# KiCad board WeatherStation.kicad_pcb (continued)
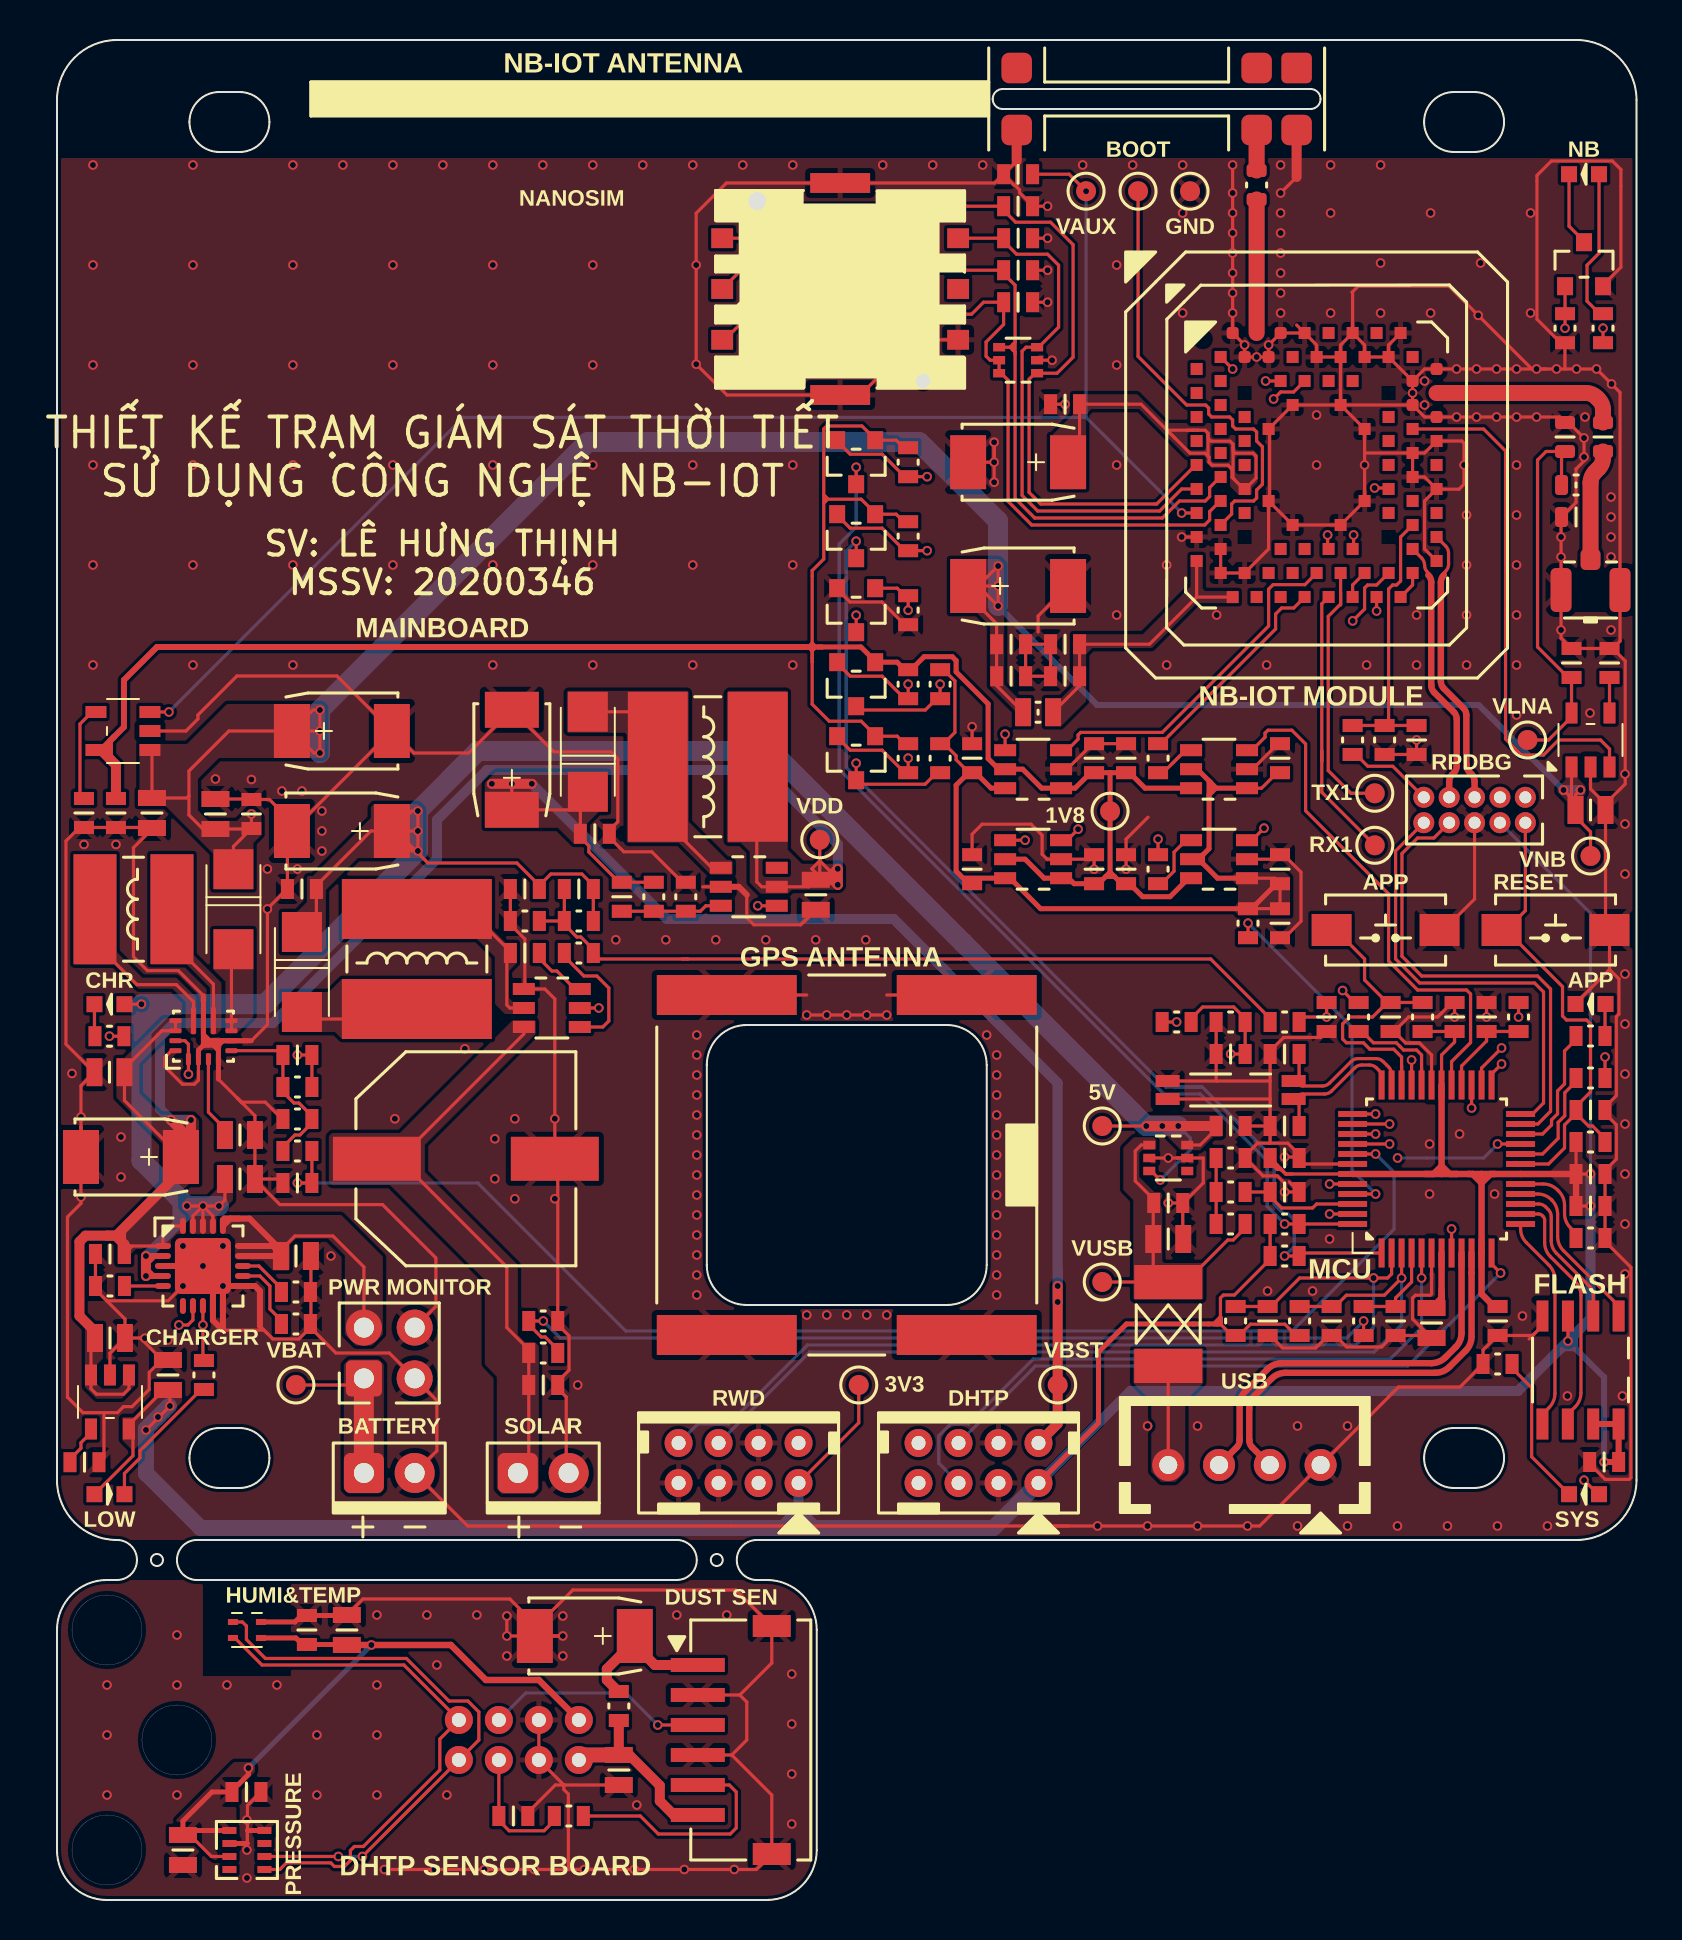
[diagram p0: board, top side]
## Routing (per net, layer and track width the routed paths; a pad name or vN(x,y) marks a point on that pad's centre or on a via; arc(x,y) is an arc through that point) (continued)
VBAT: length 8.2
  Top w0.16: J3.1 15.02,25.75 12.05,25.75
  Top w1: BAT1.1 J3.1
VDD: length 112.4
  Top w0.16: U5.1 3.6,25.57 3.32,25.29 1.97,25.29 1.7,25.57 U5.3 1.7,27.9 C22.1 ; C64.1 37.6,50.66 U13.5 35.25,50.66 35,50.91 35,56.51 35.05,56.56 ; C64.1 38.15,51.21 38.15,52.01 ; C64.1 37.95,51.36 37.75,51.56 38.15,51.96 ; U4.20 5.65,33.7 5.3,33.35 U4.1 3.77,32.7 C25.1 3.37,33.83 6.2,36.65 C26.+ 3.37,39.98 C2.1 3.37,41.59 5.25,43.47 5.92,43.47 5.92,43.97 ; 38.78,51.29 38.78,51.34 38.15,51.96 ; 38.15,51.96 38.15,52.01 ; 38.15,52.01 TP7.1
  Top w0.5: 2.5,33.22 2.93,33.22 3.37,32.78 C25.1 ; 2.5,33.22 2.96,33.22 6.2,36.45 C26.+ ; 2.5,33.22 1.42,33.22 1.12,32.92 1.12,29.2 1.9,28.43 C22.1 ; C26.+ 6.7,37.65 v1(6.7,39) ; C26.+ 6.2,38.5 v1(5.7,39) ; v1(39.05,50.76) 38.8,51.01 C64.1 38.5,51.01 v1(39.05,51.56) v1(39.05,50.76)
  In1.Cu w0.5: v1(6.7,39) v1(5.7,39) ; v1(39.05,50.76) v1(39.05,51.56)
  In2.Cu w0.5: v1(39.05,50.76) v1(39.05,51.56) ; v1(6.7,39) v1(5.7,39)
  Bottom w0.5: v1(6.7,39) v1(5.7,39) 5.15,39.55 5.15,43.15 5.85,43.85 10.8,43.85 19,52.05 19,54 21.5,56.5 35.35,56.5 39.05,52.8 v1(39.05,51.56) v1(39.05,50.76)
VDD1: length 9.5
  Top w0.5: R33.1 C63.1 28.62,7.25 30.15,5.73 30.15,4.95 30.85,4.25 U11.6
  Top w0.75: C63.1 26.35,7.25 J6.2
/MCU/DBG_RXD: length 18.7
  Top w0.16: v1(72.25,41.8) 71.75,41.3 U7.25
  In2.Cu w0.16: v1(72.25,41.8) 72.77,42.33 72.77,42.63 74.57,44.42 74.57,55.24 73.87,55.94 72.97,55.94 J4.3
/MCU/DBG_TXD: length 16
  Top w0.16: U7.26 71.25,41.6 v1(72.25,42.6)
  In2.Cu w0.16: J4.1 74.25,54.33 74.25,44.6 v1(72.25,42.6)
/MCU/DUST_EN: length 39.3
  Top w0.16: U7.40 v1(66.65,37.8) ; U13.4 v1(35.05,49.71)
  In2.Cu w0.16: v1(66.65,37.8) 59.9,37.8 47.99,49.71 v1(35.05,49.71)
/MCU/DUST_SEN: length 32.7
  Top w0.16: U7.12 71.75,31.8 v1(72.2,31.35)
  Bottom w0.16: 69.42,28.58 67.55,26.7 48.94,26.7 J7.6 ; 69.42,28.58 68.8,27.95 ; 69.42,28.58 v1(72.2,31.35)
/MCU/LED_APP: length 6.7
  Top w0.16: U7.22 74.3,38.3 74.75,38.75 74.75,39.01 75.05,39.31 75.05,40.45 75.4,40.8 75.4,42.45 75.97,43.03 R26.1
/MCU/LED_SYS: length 17.5
  Top w0.16: U7.8 v1(69.75,33.55) ; D9.A 77.07,20.29 v1(76.37,20.99)
  In2.Cu w0.16: v1(76.37,20.99) 76.37,22.33 69.75,28.95 v1(69.75,33.55)
/MCU/NB_ARXD: length 26
  Top w0.16: U16.3 59.77,57.49 60.42,58.14 60.42,58.34 60.57,58.49 61.76,58.49 62.45,57.8 62.45,54.46 66.6,50.31 66.6,46.95 68.05,45.5 70.5,45.5 70.7,45.3 70.7,42.87 69.75,41.92 U7.29
/MCU/NB_ATXD: length 6
  Top w0.16: R40.2 65.27,43.43 65.84,42.86 66.99,42.86 67.35,42.5 68,42.5 68.25,42.25 U7.32 68.25,41.6
/MCU/NB_DTR: length 40.2
  Top w0.16: R46.1 43.99,56.37 43.42,55.79 40.17,55.79 Q4.3 v1(39.97,56.84) ; U7.39 v1(65.95,38.3)
  In2.Cu w0.16: v1(65.95,38.3) 59.9,38.3 43.85,54.35 42.46,54.35 v1(39.97,56.84)
/MCU/NB_ONOFF: length 42.1
  Top w0.16: U7.37 v1(65.95,39.3) ; v1(42.57,64.49) R42.2 42.39,65.22 42.02,65.59 Q2.1
  In2.Cu w0.16: v1(42.57,64.49) 45.27,61.79 45.27,53.93 59.9,39.3 v1(65.95,39.3)
/MCU/NB_RING: length 43.1
  Top w0.16: v1(44.17,60.79) R45.1 43.99,60.07 43.43,59.5 40.16,59.5 Q3.3 ; U7.38 v1(66.65,38.8)
  In2.Cu w0.16: v1(66.65,38.8) 59.9,38.8 46.35,52.35 ; 46.35,52.35 45.81,52.89 ; 46.35,52.35 44.17,54.53 v1(44.17,60.79)
/MCU/NB_RXD: length 33.4
  Top w0.16: U7.44 v1(63.65,35.8) ; v1(60.37,53.59) 59.77,52.99 U8.3
  In2.Cu w0.16: 70.67,41.13 68.98,42.82 68.98,47.27 62.66,53.59 v1(60.37,53.59) ; 70.67,41.13 71.45,40.35 ; 70.67,41.13 71.75,40.05 71.75,39.05 68.5,35.8 v1(63.65,35.8)
/MCU/NB_TXD: length 5.6
  Top w0.16: R28.2 75.97,40.93 75.41,40.36 75.41,39.21 75.08,38.88 75.08,38.08 74.3,37.3 U7.20
/MCU/NB_USB_N: length 13.2
  Top w0.16: 68.59,66.35 68.55,66.39 arc(68.44,66.55) 68.4,66.74 arc(68.36,66.94) 68.25,67.1 MD1.V18
  Top w0.32: J4.7 69.63,55.91 arc(69.67,56.11) 69.78,56.27 69.86,56.35 arc(69.97,56.52) 70.01,56.71 70.01,59.04 arc(69.97,59.24) 69.86,59.4 68.88,60.38 arc(68.77,60.54) 68.73,60.73 68.73,65.89 arc(68.7,66.09) 68.59,66.25
/MCU/NB_USB_P: length 13.9
  Top w0.16: 69.36,66.35 69.45,66.44 arc(69.56,66.6) 69.6,66.79 69.6,67.34 arc(69.56,67.54) 69.45,67.7 MD1.U19
  Top w0.32: J4.5 70.9,55.93 arc(70.86,56.13) 70.75,56.29 70.64,56.4 arc(70.53,56.57) 70.49,56.76 70.49,59.24 arc(70.45,59.43) 70.34,59.6 69.36,60.58 arc(69.25,60.74) 69.21,60.93 69.21,65.89 arc(69.25,66.09) 69.36,66.25
/MCU/NB_VAUX_SEN: length 4.8
  Top w0.16: R49.1 C84.1 71.5,42.95 70.25,41.7 U7.28
/MCU/NB_VBUS: length 4.4
  Top w0.16: R29.1 64.97,57.28 65.56,56.69 66.81,56.69 J4.9
/MCU/PGC: length 22.4
  Top w0.16: U7.24 73.8,39.3 74.35,39.85 74.35,45.4 73.9,45.85 68.15,45.85 66.95,47.05 66.95,52.46 J4.10
/MCU/PGD: length 24.1
  Top w0.16: U7.23 74.06,38.8 74.7,39.44 74.7,45.55 74.05,46.2 68.25,46.2 67.27,47.19 67.27,52.32 68.05,53.1 68.86,53.1 J4.8
/MCU/SCL: length 90
  Top w0.16: U7.48 R23.1 v1(61.4,33.8) ; Q5.3 v1(39.97,71.64)
  In2.Cu w0.16: 50.34,20.4 49.86,19.92 ; 50.34,20.4 49.56,19.62 44.32,19.62 J7.7 44.09,21.85 44.09,23.35 43.62,23.82 42.57,23.82 41.6,22.85 J8.8 ; 50.34,20.4 51.39,21.45 51.39,23.79 v1(61.4,33.8)
  Bottom w0.16: v1(61.4,33.8) 60.53,34.67 60.53,36.95 57.18,40.3 55.36,40.3 39.12,56.54 39.12,67.79 39.97,68.64 v1(39.97,71.64)
/MCU/SCLK: length 12.5
  Top w0.16: U7.14 74.1,34.3 arc(74.2,34.28) 74.28,34.23 74.33,34.17 arc(74.39,34.09) 74.4,34 74.4,32.87 arc(74.48,32.49) 74.7,32.16 75.93,30.93 arc(76.15,30.61) 76.22,30.23 76.22,25.36 arc(76.15,24.98) 75.93,24.65 75.56,24.29 U6.6
/MCU/SDA: length 92.3
  Top w0.16: U7.1 62.27,32.35 R24.1 v1(61.4,32.2) ; Q6.3 v1(39.97,67.94)
  In2.Cu w0.16: v1(61.4,32.2) 53.79,24.6 ; 53.79,24.6 51.74,22.54 51.74,21.35 49.69,19.3 43.23,19.3 42.39,20.14 ; 53.79,24.6 53.5,24.3 ; 42.39,20.14 42.32,20.22 ; 42.39,20.14 42.12,20.42 ; 42.02,20.32 42.22,20.32 42.32,20.22 ; 42.02,20.32 41.92,20.22 ; 42.02,20.32 42.12,20.42 ; 42.32,20.22 41.92,20.22 ; 41.92,20.22 41,19.3 36.64,19.3 36.04,19.9 ; J7.8 42.12,21.88 42.12,21.87 42.12,20.42 ; 36.04,19.9 36.14,19.8 ; 36.04,19.9 J8.5
  Bottom w0.16: 58.98,38.95 60.88,37.05 60.88,34.79 61.36,34.3 61.58,34.3 61.88,34 61.88,32.68 v1(61.4,32.2) ; 58.98,38.95 59.33,38.6 ; 58.98,38.95 57.28,40.65 57.18,40.65 ; 57.18,40.65 55.88,40.65 ; 57.18,40.65 55.46,40.65 39.47,56.64 39.47,67.44 v1(39.97,67.94)
/MCU/SDI: length 7.7
  Top w0.16: U6.2 76.83,30.29 arc(76.8,30.48) 76.69,30.65 74.99,32.34 arc(74.8,32.63) 74.73,32.96 74.73,34.17 arc(74.7,34.36) 74.59,34.52 74.46,34.65 arc(74.29,34.76) 74.1,34.8 U7.15
/MCU/SDO: length 10.8
  Top w0.16: U6.5 74.29,23.88 arc(74.37,24.26) 74.59,24.58 74.63,24.62 arc(74.85,24.95) 74.92,25.33 74.92,31.03 arc(74.85,31.41) 74.63,31.73 73.49,32.87 arc(73.28,33.19) 73.2,33.58 U7.13
/MCU/SOSCI: length 7.9
  Top w0.16: C28.1 62.12,41.23 X1.1 61.95,40.85 arc(62.12,40.74) 62.31,40.7 63.29,40.7 arc(63.48,40.74) 63.65,40.85 64.72,41.92 arc(64.89,42.03) 65.08,42.07 65.97,42.07 arc(66.16,42.03) 66.33,41.92 66.6,41.65 arc(66.71,41.49) 66.75,41.29 U7.35
/MCU/SOSCO: length 7.2
  Top w0.16: U7.36 66.25,41.14 arc(66.21,41.34) 66.1,41.5 66,41.6 arc(65.83,41.71) 65.64,41.75 65.26,41.75 arc(65.07,41.71) 64.9,41.6 63.75,40.45 arc(63.58,40.34) 63.39,40.3 62.31,40.3 arc(62.12,40.26) 61.95,40.15 X1.4 62.12,39.78 C29.1
/MCU/USB_N: length 20.3
  Top w0.32: U7.9 70.25,28.35 arc(70.17,27.97) 69.96,27.65 69.44,27.13 arc(69.12,26.92) 68.74,26.84 61.25,26.84 arc(60.87,26.76) 60.55,26.55 59.44,25.44 arc(59.23,25.12) 59.15,24.74 59.15,22.99 arc(59.11,22.8) 59,22.63 J1.3
/MCU/USB_P: length 20.3
  Top w0.32: J1.2 59.78,22.63 arc(59.67,22.8) 59.63,22.99 59.63,24.54 arc(59.71,24.92) 59.92,25.24 60.75,26.07 arc(61.07,26.28) 61.45,26.36 68.94,26.36 arc(69.32,26.44) 69.64,26.65 70.46,27.47 arc(70.67,27.79) 70.75,28.18 U7.10
/MCU/VIO_EN: length 18.1
  Top w0.16: R27.1 v1(59.57,48.84) ; v1(65.95,35.3) U7.45
  Bottom w0.16: v1(65.95,35.3) 64.77,36.48 64.77,43.64 v1(59.57,48.84)
/MCU/VNB_EN: length 75
  Top w0.16: U2.14 6.4,42.97 6.57,42.79 U2.1 v1(6.57,41.29) ; U7.21 v1(72.05,37.8)
  In2.Cu w0.16: v1(67.05,37.1) 66.6,36.65 60.55,36.65 51.4,45.8 26.75,45.8 22.24,41.29 v1(6.57,41.29)
  Bottom w0.16: v1(72.05,37.8) 71.35,37.1 v1(67.05,37.1)
/MCU/VNB_SEN: length 67.6
  Top w0.16: v1(12.02,35.85) C13.1 R10.1 ; U7.41 v1(65.95,37.3)
  Bottom w0.16: v1(65.95,37.3) 66.87,36.38 66.87,33.55 61.77,28.45 28.45,28.45 21.05,35.85 v1(12.02,35.85)
/MCU/VSOLAR_SEN: length 4.6
  Top w0.16: U7.4 67.75,30.9 66.95,30.1 C4.1 R1.1
/MCU/~{BT_APP}: length 15.9
  Top w0.16: 66.52,44.88 65.4,46 65.4,47.05 63.95,48.5 BT2.1 ; 66.52,44.88 C35.1 ; 66.52,44.88 C35.1 ; 66.52,44.88 65.8,44.15 64.65,44.15 64.3,43.8 64.3,43.05 64.49,42.86 65.34,42.86 65.66,42.54 66.85,42.54 67.25,42.15 U7.34 67.25,41.7 ; C35.1 R25.2
/MCU/~{DUST_IREN}: length 32.9
  Top w0.16: U7.5 v1(68.25,31.1)
  Bottom w0.16: J7.5 44.1,21.84 44.1,23.21 44.69,23.8 45.59,23.8 48.84,27.05 66.68,27.05 68.25,28.62 v1(68.25,31.1)
/MCU/~{FLASH_CS}: length 8.7
  Top w0.16: U6.1 78.1,29.29 arc(78.03,29.67) 77.81,30 75.35,32.46 arc(75.13,32.79) 75.05,33.17 75.05,34.29 arc(74.98,34.67) 74.76,35 74.75,35.01 arc(74.43,35.22) 74.05,35.3 U7.16
/MCU/~{MCLR}: length 24.7
  Top w0.16: 75.97,39.33 75.4,38.75 75.4,37.6 74.6,36.8 U7.19 ; 75.97,39.33 76.6,38.7 76.8,38.7 77.42,38.08 R22.2 ; 75.97,39.33 C32.1 75.97,39.68 76.7,40.4 76.7,43.8 76.5,44 75.5,44 75.3,44.2 75.3,45.67 72.47,48.5 BT1.1 72.48,48.5 73.44,49.47 J4.2
/MCU/~{RNF_PULSE}: length 49.1
  Top w0.16: U7.2 66.75,31.3 66.55,31.1 v1(65.85,31.1) 62.15,31.1 60.72,29.68 C73.1 R38.2
  Bottom w0.16: J8.2 32.04,23.8 33.59,23.8 37.54,27.75 64.96,27.75 65.85,28.64 v1(65.85,31.1)
/MCU/~{VBAT_LOW}: length 66.9
  Top w0.16: U4.8 v1(7.3,28.75) 7.3,27.03 R14.2 ; U7.47 v1(63.65,34.3)
  In2.Cu w0.16: 58.02,31.77 50.75,24.5 11.55,24.5 v1(7.3,28.75) ; 58.02,31.77 61.02,34.77 61.37,34.77 ; 58.02,31.77 58.15,31.9 ; 61.37,34.77 61.07,34.77 ; 61.37,34.77 63.18,34.77 v1(63.65,34.3)
/MCU/~{WSP_PULSE}: length 45.9
  Top w0.16: U7.3 v1(67.25,31.1) 66.39,30.24 64.49,30.24 63.92,29.68 C71.1 R37.2
  Bottom w0.16: v1(67.25,31.1) 67.25,28.77 65.88,27.4 37.64,27.4 J8.4
/NB MODULE/ARXD: length 10.8
  Top w0.16: MD1.AA9 62.4,65.15 61.85,64.6 61.25,64.6 60.95,64.3 60.95,63.55 55.21,57.82 R39.1
/NB MODULE/ATXD: length 17.7
  Top w0.16: MD1.Y10 62.41,65.77 60.82,65.77 60.6,65.55 60.6,63.7 55.28,58.38 51.2,58.38 51.07,58.25 51.07,58.04 50.52,57.49 U15.3
/NB MODULE/DTR: length 40.4
  Top w0.16: v1(63.55,68.25) 63.55,67.6 MD1.V11 ; Q4.2 39.02,58.14 39.67,57.49 41.27,57.49 42.39,56.37 R44.1 v1(42.57,57.09)
  In2.Cu w0.16: v1(63.55,68.25) 63.55,69.1 62.69,69.96 56.02,69.96 54.13,68.07 45.48,68.07 44.64,67.23 44.64,66.96 44.02,66.35 42.98,66.35 41.04,64.41 41.04,62.77 42.54,61.27 42.77,61.27 43.05,60.99 43.05,60.59 42.57,60.11 v1(42.57,57.09)
/NB MODULE/GPS_LNA_ENA: length 26.5
  Top w0.16: 77.65,56.6 77.65,57.55 77.2,58 75.1,58 74.35,57.25 73.25,57.25 72.45,58.05 72.45,72.45 71.35,73.55 MD1.H18
/NB MODULE/PWRMON: length 127.5
  Top w0.16: v1(5.6,59.4) U17.3 ; v1(51.47,85.44) 50.62,86.29 C51.1 ; MD1.R1 v1(56.25,69.35) ; R49.2 v1(73.1,44.15)
  In2.Cu w0.16: v1(56.25,69.35) 49.3,62.4 49.3,52.56 51.04,50.82 55.32,50.82 58.96,54.47 62.78,54.47 v1(73.1,44.15)
  Bottom w0.16: 51.23,74.13 51.25,74.13 51.47,74.35 ; 51.23,74.13 20.33,74.13 v1(5.6,59.4) ; 51.23,74.13 51.47,74.13 ; 51.47,74.35 51.47,74.13 ; 51.47,74.35 v1(51.47,85.44) ; 51.47,74.13 53.49,72.11 ; 53.49,72.11 52.27,73.33 ; 53.49,72.11 v1(56.25,69.35)
/NB MODULE/RING: length 37.8
  Top w0.16: v1(42.57,60.79) R43.1 42.39,60.07 41.27,61.19 39.67,61.19 39.02,61.84 Q3.2 ; MD1.V13 64.85,67.6 v1(64.85,68.25)
  In2.Cu w0.16: v1(64.85,68.25) 62.82,70.28 55.88,70.28 53.99,68.39 45.35,68.39 44.32,67.36 44.32,67.12 43.87,66.67 42.85,66.67 40.72,64.54 40.72,62.64 v1(42.57,60.79)
/NB MODULE/RXD0: length 21.4
  Top w0.16: MD1.AA15 v1(66,64.45) ; v1(51.07,53.54) 50.52,52.99 U9.3
  In2.Cu w0.16: v1(66,64.45) 64.58,64.45 64.27,64.14 64.27,63.87 54.64,54.24 51.77,54.24 v1(51.07,53.54)
/NB MODULE/SCL_1V8: length 26.8
  Top w0.16: MD1.D7 v1(60.45,75.95) ; Q5.2 39.02,72.94 39.67,72.29 41.27,72.29 42.39,71.17 R48.1 v1(43.52,71.17)
  In2.Cu w0.16: v1(43.52,71.17) 45.22,69.47 53.71,69.47 58.35,74.1 59.4,74.1 60.1,74.8 60.1,75.6 v1(60.45,75.95)
/NB MODULE/SDA_1V8: length 27.7
  Top w0.16: v1(43.52,67.47) R47.1 42.39,67.47 41.27,68.59 39.67,68.59 39.02,69.24 Q6.2 ; v1(60.85,75.05) 61.2,75.4 61.85,75.4 MD1.D9
  In2.Cu w0.16: v1(43.52,67.47) 45.17,69.12 53.81,69.12 58.45,73.75 59.55,73.75 v1(60.85,75.05)
/NB MODULE/SIM_CLK: length 42.5
  Top w0.16: MD1.L1 56.95,71.75 55,69.8 49.2,69.8 48.62,70.38 48.62,76.04 48.92,76.34 D6.1 50.02,76.34 50.82,77.14 50.82,82.77 49.69,83.89 47.94,83.89 47.34,84.49 C40.1 36.47,84.69 34.87,83.09 J5.C3
/NB MODULE/SIM_DAT: length 27.8
  Top w0.16: MD1.N1 56.25,70.55 55.15,69.45 49.05,69.45 48.27,70.23 48.27,77.44 48.47,77.64 D6.3 49.09,77.64 50.09,78.64 50.09,81.74 49.54,82.29 47.99,82.29 47.34,82.94 C38.1 J5.C7
/NB MODULE/SIM_RST: length 39.7
  Top w0.16: 47.92,77.3 47.92,77.39 47.82,77.49 ; 47.92,77.3 47.92,78.04 ; 47.92,77.3 47.92,70.08 48.9,69.1 55.29,69.1 56.14,69.95 57.43,69.95 57.65,70.17 57.65,70.62 58.18,71.15 MD1.M2 ; 47.92,78.04 47.92,80.74 47.34,81.32 C43.1 34.21,81.49 J5.C2 ; 47.92,78.04 47.92,77.89 47.82,77.79 ; 47.82,77.79 47.82,77.49 ; 47.82,77.79 47.67,77.64 ; 47.82,77.49 47.67,77.64 ; 47.67,77.64 D6.4
/NB MODULE/SIM_VCC: length 37.7
  Top w0.16: D6.5 46.67,76.99 46.47,77.19 46.47,77.9 47.34,78.78 C44.2 46.34,79.89 45.74,79.29 34.67,79.29 33.39,78.01 J5.C1 ; MD1.P2 58.18,69.95 57.65,69.42 57.65,69 57.4,68.75 48.75,68.75 47.57,69.93 47.57,75.99 47.12,76.44 47.12,76.94
/NB MODULE/TXD0: length 19.1
  Top w0.16: v1(64.8,63.96) 65.4,64.55 65.4,65.6 65.55,65.75 66,65.75 MD1.Y16 ; v1(55.07,53.04) R31.1
  In2.Cu w0.16: v1(64.8,63.96) 55.07,54.22 v1(55.07,53.04)
/SENSORS/SCL1: length 27.2
  Top w0.16: U12.2 8.9,13.1 10.25,11.75 17.35,11.75 J6.7 19.15,8.05 19.15,6.5 15.32,2.68 14.88,2.68 14.68,2.48 14.68,1.98 14.38,1.68 13.88,1.68 13.69,1.86 11.47,1.86 11.14,1.53 U14.4
/SENSORS/SDA1: length 32.5
  Top w0.16: 18.62,5.53 16.2,3.1 ; 18.62,5.53 J6.8 21.1,8 21.1,9.4 20.55,9.95 19.6,9.95 17.48,12.08 10.42,12.08 9.47,13.03 9.47,13.7 9.28,13.9 U12.1 ; 18.62,5.53 v1(15.28,2.18) ; U14.3 v1(14.07,2.18)
  Bottom w0.16: v1(14.07,2.18) v1(15.28,2.18)
/SENSORS/VOUT: length 6.5
  Top w0.16: J6.6 C69.1 22.1,3.98 22.62,3.46 24.36,3.46 24.88,3.98 R36.1
/SENSORS/~{LED_EN}: length 11.2
  Top w0.16: U11.3 v1(30.05,8.75)
  Bottom w0.16: J6.5 23.45,10.35 28.45,10.35 v1(30.05,8.75)
VIO: length 55.1
  Top w0.16: C79.1 61.02,56.37 60.24,55.59 U16.1 57.94,55.59 57.79,55.74 57.77,55.72 57.77,55.42 ; 45.12,51.29 45.59,50.82 C42.1 46.04,51.09 U9.6 ; U16.5 57.03,56.54 ; U8.1 60.89,51.09 C41.1 C39.2 R27.2 ; R45.2 44.34,61.52 44.91,60.95 44.91,58.38 44.34,57.82 R46.2 44.37,57.82 44.97,57.22 44.97,57.02 45.62,56.37 C78.1
  Top w0.25: 57.62,55.02 57.62,55.27 57.94,55.59 ; 57.62,55.02 57.62,52.57 57.32,52.27 ; 57.62,55.02 57.62,55.95 57.7,55.87 ; 57.09,52.04 U8.5 57.09,52.04 ; 57.09,52.04 57.29,51.84 ; 57.09,52.04 57.32,52.27 ; 57.32,52.27 57.29,52.24 57.29,51.84 ; 57.29,51.84 58.04,51.09 U8.1 ; U15.6 46.72,55.59 45.94,56.37 C78.1 45.59,56.37 44.97,55.74 44.97,51.44 45.32,51.09 U9.6 47.67,51.09 49.19,49.57 59.74,49.57 60.99,50.82 C41.1 ; 57.7,55.87 57.98,55.59 U16.1 ; 57.7,55.87 57.03,56.54
VLNA: length 19.4
  Top w0.16: TP9.1 74.6,58 75.75,59.15 C60.2 75.57,61.13 74.05,62.65 74.05,72 74.47,72.43 C59.1 75.25,72.25 75.25,71
VNB: length 182.7
  Top w0.16: C16.1 8.82,52.68 D1.K ; C16.1 v1(9.72,54.3) ; C16.1 9.7,53.55 C18.1 7.3,53.55 6.6,54.25 6.6,55.2 ; C62.2 75.95,54.16 76.7,53.41 TP2.1 ; C62.2 75.75,54.7 75.75,56.6 ; C62.2 75.95,55.25 v1(76.2,55.5) ; C62.2 75.95,54.9 v1(75.35,55.5) ; C19.+ 12.8,59.5 v1(13.15,59.5) v1(13.15,57.35) 12.85,57.35 C19.+ ; C19.+ 8.6,58.45 6.6,56.45 6.6,55.2 ; C19.+ v1(13.15,58.45) ; R8.1 C10.1 v1(12.02,42.25) ; 46.07,65.7 C57.+ ; 46.07,65.7 v1(47.07,66.7) v1(47.07,64.7) 46.07,65.7 ; C57.+ 45.57,65.24 46.99,63.82 C55.2 C54.1 46.99,60.72 FT1.2 ; C57.+ v1(47.07,65.7) ; 6.6,55.2 6.5,55.1 C80.2 4.75,57.4 U17.1 ; v1(77.32,78.59) R32.1
  In1.Cu w0.5: v1(47.07,66.7) v1(47.07,64.7) ; v1(13.15,59.5) v1(13.15,57.35) ; v1(75.35,55.5) v1(76.2,55.5)
  In2.Cu w0.16: v1(12.02,42.25) 9.72,44.55 v1(9.72,54.3) ; v1(76.2,55.5) 78.25,57.55 78.25,77.67 v1(77.32,78.59)
  In2.Cu w0.5: v1(13.15,59.5) v1(13.15,57.35) ; v1(76.2,55.5) v1(75.35,55.5) ; v1(47.07,66.7) v1(47.07,64.7)
  Bottom w0.16: 42.9,72.9 42.48,72.9
  Bottom w0.3: v1(75.35,55.5) 71.1,59.75 52.02,59.75 v1(47.07,64.7)
  Bottom w0.5: v1(76.2,55.5) v1(75.35,55.5)
  Bottom w1: v1(47.07,64.7) v1(47.07,66.7) 47.07,68.95 44.22,71.8 ; v1(13.15,58.45) v1(13.15,57.35) v1(13.15,59.5) 26.55,72.9 41.72,72.9 ; 41.72,72.9 43.12,72.9 44.22,71.8 ; 41.72,72.9 43,72.9 ; 44.22,71.8 43.26,72.76
VSEN1: length 37
  Top w0.16: C74.1 8.75,5.78 ; U14.6 7.72,2.18 6.65,3.25 C75.1 6.53,3.48 ; 14.47,12.78 C67.1 ; U12.3 10.3,13.1
  Top w0.25: 10.3,13.1 11.95,13.1 12.27,12.78 C66.1 14.47,12.78 ; U14.8 6.53,3.48 ; v1(9.58,6.6) 9.58,6.28 9.07,5.78 8.75,5.78 ; C75.1 6.3,3.95 7.75,5.4 C74.1
  Top w0.32: J6.1 24.1,11 21.45,11 19.7,12.75 v1(15.73,12.75) C67.1
  Bottom w0.25: v1(9.58,6.6) v1(15.73,12.75)
Net-(U7-AVSS/VSS): length 4.6
  Top w0.16: R21.2 75.97,33.33 75.69,33.61 arc(75.48,33.94) 75.4,34.32 75.4,34.74 arc(75.32,35.12) 75.11,35.44 75.04,35.51 arc(74.72,35.72) 74.34,35.8 U7.17
Net-(ANT1-SIG): length 2
  Top w0.8: Z1.2 ANT1.2
Net-(ANT2-SIG): length 5.6
  Top w0.8: C53.2 77.32,72.11 arc(77.27,71.82) 77.11,71.58 76.92,71.4 arc(76.76,71.15) 76.7,70.87 ANT2.1
Net-(C11-Pad2): length 40.8
  Top w0.16: R11.2 C11.2 ; R11.2 R12.1 ; R11.2 25.37,48.78 26,48.15 26.2,48.15 26.82,47.53 R7.1 27.12,47.05 31.55,47.05 ; R13.2 60.67,44.08 57.7,47.05 31.55,47.05 ; 31.55,47.05 31.25,47.05
Net-(C21-Pad1): length 90.7
  Top w0.16: J3.2 15.35,31.65 13.8,33.2 11.9,33.2 11.2,32.5 C21.1 10.7,32.7 ; R19.1 v1(56,43.9)
  Top w0.3: 9.1,34.07 8.67,34.07 U4.16 8.3,34 8.37,34.07 9.1,34.07 ; 9.1,34.07 9.63,34.07 11.2,32.5 ; U4.14 C21.1 ; U4.15 10.7,32.7
  In2.Cu w0.16: J3.2 16.62,27.35 19.1,27.35 19.85,26.6 50.85,26.6 60.55,36.3 66.95,36.3 67.55,36.9 67.55,38.6 66.35,39.8 60.1,39.8 v1(56,43.9)
Net-(C68-Pad1): length 74.6
  Top w0.16: v1(22.75,55.81) C72.+ 25.65,54.51 D8.K 26.18,55.04 C70.1 26.18,53.14 26.6,52.71 26.6,52.4 28.11,50.89 C68.1 R34.1
  Top w0.5: J7.2 50.05,23.81 TP10.1 v1(50.05,30.7) ; v1(23.75,55.81) v1(21.75,55.81)
  In1.Cu w0.5: v1(23.75,55.81) v1(21.75,55.81) ; v1(50.05,29.9) v1(50.05,30.7)
  In2.Cu w0.5: v1(50.05,29.9) v1(50.05,30.7) ; v1(23.75,55.81) v1(21.75,55.81)
  Bottom w0.5: v1(21.75,55.81) v1(23.75,55.81) 30.51,49.05 41.85,49.05 50.05,40.85 50.05,30.9 ; v1(50.05,29.9) 50.05,31.55
Net-(D1-PadA): length 4.1
  Top w0.16: 8.72,43.47 8.72,47.44 D1.A
Net-(D2-PadA): length 6
  Top w0.16: L2.2 17.5,44.05 12.25,44.05
Net-(D3-PadK): length 7
  Top w0.16: D3.K 3.37,21.33 4.15,22.1 4.15,22.47 7.21,25.53 R14.1
Net-(D4-PadK): length 1.6
  Top w0.16: R15.2 1.87,43.22 D4.K
Net-(D5-PadA): length 1.6
  Top w0.16: R26.2 77.42,44.78 D5.A
Net-(D7-PadA): length 7.7
  Top w0.16: R32.2 77.15,79.32 76.52,79.94 76.52,81.74 77.12,82.34 D7.A
Net-(D9-PadK): length 7.7
  Top w0.16: D9.K 73.75,22.16 73.75,25.61 72.77,26.59 R50.1
Net-(F1-Pad1): length 4.9
  Top w0.16: 55.58,21.75 F1.1
Net-(MD1-CELL_ANT): length 6.7
  Top w0.8: Z1.1 MD1.A5
Net-(MD1-CTANK): length 24.7
  Top w0.16: 57.57,73.24 57.57,73.34 57.42,73.49 57.07,73.49 ; 57.57,73.24 57.57,73.09 57.72,72.94 58.67,72.94 58.82,72.79 58.82,72.64 ; 57.57,73.24 57.57,72.19 57.62,72.14 ; 57.07,73.49 56.52,73.49 ; 57.07,73.49 55.52,73.49 55.92,73.09 ; 58.89,71.02 59.36,70.55 MD1.N4 59.43,70.55 59.97,71.09 59.97,72.19 59.82,72.34 58.92,72.34 58.82,72.44 58.82,72.64 ; 58.89,71.02 58.77,71.14 58.77,71.54 58.57,71.74 57.77,71.74 57.62,71.89 57.62,72.14 ; 58.89,71.02 58.82,71.09 58.82,72.64 ; C49.+ 51.14,72.47 C48.1 54.22,74.79 55.92,73.09 ; 55.92,73.09 56.67,72.34 57.42,72.34 57.62,72.14
Net-(MD1-CTS0): length 1.4
  Top w0.16: MD1.Y18 67.8,65.75 MD1.AA17
Net-(MD1-CTS1): length 1.4
  Top w0.16: MD1.Y14 64.8,65.75 MD1.AA13
Net-(MD1-FORCE_USB_BOOT): length 22.3
  Top w0.16: TP13.1 54.07,77.18 56.5,74.75 57.45,74.75 57.6,74.6 57.6,74.3 57.75,74.15 58.65,74.15 58.8,74 58.8,73.7 58.95,73.55 59.85,73.55 60,73.4 60,72.95 60.29,72.66 60.29,70.79 60,70.5 60,70.1 59.85,69.95 58.9,69.95 58.75,69.8 58.75,69.3 MD1.T2
Net-(MD1-GNSS_ANT): length 9.4
  Top w0.8: C53.1 77.32,74.5 arc(77.27,74.79) 77.11,75.03 77,75.13 arc(76.76,75.29) 76.47,75.35 MD1.E19
Net-(MD1-RXD1): length 14.6
  Top w0.16: MD1.AA11 63.26,64.81 63.26,57.45 ; 63.26,57.34 63.26,56.94 63.26,57.45 ; 63.26,57.45 63.26,55.39 TP12.1
Net-(MD1-SLED): length 20.4
  Top w0.16: MD1.B2 v1(58.8,76.55) ; Q1.1 R41.2 v1(75.42,78.59)
  In2.Cu w0.16: v1(75.42,78.59) 68.73,78.59 66.69,76.55 v1(58.8,76.55)
Net-(MD1-TXD1): length 13.5
  Top w0.16: TP11.1 64.71,55.34 63.58,56.47 63.58,64.18 64.2,64.8 64.2,65.35 ; 64.2,64.75 64.2,65.35 ; MD1.Y12 64.2,65.35
Net-(MD1-USB_VBUS): length 14.3
  Top w0.16: R30.1 66.6,58.93 66.6,60.15 ; 66.6,60.15 66.6,65.55 66.8,65.75 67,65.75 67.2,65.95 67.2,68.15 MD1.T18 ; 66.6,60.15 66.6,59.95 ; R29.2 C45.1 67.82,58.73
Net-(MD1-VBATT): length 14.4
  Top w0.16: 57,65.15 MD1.W1 ; 57,65.15 MD1.AA3 ; 57,65.15 54.64,62.79 C50.2 ; 51.17,62.77 C50.2 ; C50.2 C52.1 51.14,60.72 FT1.1
Net-(MD1-~{ONOFF}/~{WAKE}): length 30.3
  Top w0.16: v1(65.9,70.6) 66.55,70.6 MD1.N16 ; Q2.3 v1(39.97,64.24)
  In2.Cu w0.16: v1(39.97,64.24) 42.71,66.99 43.73,66.99 44,67.25 44,67.49 45.26,68.75 53.9,68.75 55.75,70.6 v1(65.9,70.6)
Net-(Q1-D): length 3.7
  Top w0.16: D7.K 75.62,83.69 76.37,82.94 Q1.3
Net-(R4-Pad1): length 3.3
  Top w0.16: R5.1 R4.1
Net-(U1-BS): length 2.8
  Top w0.16: 24.12,47.25 24.12,47.08 24.75,46.45 25,46.45 25.9,45.55 U1.6
Net-(U1-EN): length 63.3
  Top w0.16: R2.1 25.04,27.53 24.42,28.15 24.22,28.15 23.59,28.78 R3.1 v1(24.32,28.95) ; R1.2 v1(65.35,28.95) ; v1(27.1,44.6) U1.5
  In2.Cu w0.16: v1(24.32,28.95) 27.1,31.73 v1(27.1,44.6)
  Bottom w0.16: v1(24.32,28.95) 25.17,28.1 64.5,28.1 v1(65.35,28.95)
Net-(U1-FB): length 6.2
  Top w0.16: 25.37,47.25 25.37,47.18 26.35,46.2 27,46.2 27.6,45.6 27.6,43.95 27.3,43.65 U1.4
Net-(U1-IN): length 30
  Top w0.16: J2.1 23.59,21.9 C1.1 R2.2 23.59,27.53 22.5,28.62 22.5,31.65 17.09,37.06 C5.+ 17.11,37.06 23.35,43.3 U1.3
Net-(U1-SW): length 9.2
  Top w0.16: L2.1 20.55,49.55 22.67,47.43 22.67,47.25 22.5,47.08 22.5,44.75 22.65,44.6 U1.2
Net-(U2-FB): length 9
  Top w0.16: R10.2 11.3,37.65 11.9,38.25 12.15,38.25 12.75,38.85 R9.1 12.75,39.2 12.1,39.85 11.85,39.85 11.3,40.4 R8.2 C10.2 11.08,42.47 8.72,42.47
Net-(U2-L1): length 8.8
  Top w0.16: 6.82,43.97 6.82,44.92 5.97,45.77 4,45.77 1.9,47.87 L1.2
Net-(U2-L2): length 6.4
  Top w0.16: L1.1 5.75,47.87 7.82,45.79 7.82,43.97
Net-(U2-VAUX): length 4.1
  Top w0.16: C3.1 8.4,38.57 7.57,39.39 U2.3
Net-(U3-VIN): length 16.5
  Top w0.16: R5.2 59.42,33.6 58.83,33 58.56,33 56.46,30.9 F1.2 ; F1.2 TP1.1 ; F1.2 54.83,31.65 C7.1 54.83,34.83 C6.1 54.86,35.03 53.93,35.95 53.93,37.45 54.23,37.75 54.63,37.75
Net-(U4-PROG1): length 2.6
  Top w0.16: R16.1 11.22,30.58 10.1,31.7 U4.13
Net-(U4-PROG3): length 3.7
  Top w0.16: R17.1 11.22,28.98 10.65,29.55 10.65,30.7 10.15,31.2 U4.12
Net-(U4-STAT2): length 18.1
  Top w0.16: v1(6.1,28.75) 6.55,28.75 6.8,29 U4.7 ; v1(2.62,43.19) R15.1
  In2.Cu w0.16: v1(6.1,28.75) 2.62,32.23 v1(2.62,43.19)
Net-(U4-THERM): length 1.9
  Top w0.16: U4.5 R18.1
Net-(U5-NC/BP): length 2.1
  Top w0.16: C81.1 0.65,22.04 1.2,22.59 1.2,22.87 1.7,23.37 U5.4
Net-(U7-VCAP): length 4.1
  Top w0.32: 69.25,30.52 69.25,29.38 ; U7.7 69.25,30.1 C30.1
Net-(U8-B): length 3.1
  Top w0.16: U8.4 56.47,52.99 55.87,52.39 55.87,51.44 55.24,50.82 R31.2
Net-(U9-B): length 42.7
  Top w0.16: R28.1 v1(77.42,42.15) ; U9.4 v1(48.42,52.99)
  In2.Cu w0.16: v1(77.42,42.15) 75.57,40.3 71.97,40.3 69.3,42.98 69.3,47.45 62.63,54.12 59.09,54.12 55.47,50.5 50.91,50.5 v1(48.42,52.99)
Net-(U10-NC/BP): length 1.7
  Top w0.16: 77.65,59.4 C61.1
Net-(U11-VLED): length 7.6
  Top w0.5: R33.2 28.07,10.43 27.5,11 27.5,11.55 28.9,12.95 C65.+ 28.9,12.75 29.9,11.75 U11.1
Net-(U11-VOUT): length 12
  Top w0.16: U11.5 33.62,5.75 33.98,5.4 33.98,3.6 33.68,3.3 30.08,3.3 29.18,4.2 R36.2
Net-(U13-FB): length 5.1
  Top w0.16: U13.3 32.45,49.71 32.18,49.44 R35.1 C68.2
Net-(U13-SW): length 12.8
  Top w0.16: U13.1 32.75,51.61 30.05,54.31 30.05,56.56 ; D8.A 30.05,59.41 L4.2
Net-(U15-B): length 27.6
  Top w0.16: U15.4 v1(47.42,58.29) ; v1(64.3,45.48) 64.9,44.88 R40.1
  In2.Cu w0.16: v1(64.3,45.48) 60.35,49.43 50.27,49.43 47.42,52.28 v1(47.42,58.29)
Net-(U16-B): length 2.9
  Top w0.16: 55.24,56.37 R39.2 55.32,56.37 56.17,57.22 ; U16.4 56.44,57.49 56.17,57.22 ; 56.17,57.22 55.72,56.77
Net-(U17-NC/BP): length 4.9
  Top w0.16: C82.1 1.15,55.28 1.15,58.8 1.75,59.4 U17.4

## Copper pours and planes (outline as drawn; the poured copper is in the pictures)
+3.3V on Top: 6.25,25.9 6.25,24.9 3.8,22.45 3.25,23 3.25,24.1 3.3,24.15 3.85,24.15 4.85,25.15 4.85,25.9
+3.3V on Top: 75.65,34.2 76.6,34.2 77,34.6 77,36.4 76.3,37.1 76.3,38.4 75.65,38.4 75.65,37.4 74.65,36.4 74.6,36.4 74.6,36.3 75.65,35.25
+5V on Top: 56.23,37.49 57.17,37.49 57.83,38.15 58.28,38.15 58.3,38.17 58.3,39.18 58.23,39.25 54.63,39.25 54.13,38.75 54.13,38.65 54.38,38.4 55.31,38.4 56.21,37.5
+5V on Top: 8.8,36.75 8.8,34.99 7.97,34.17 7.97,33.33 7.95,33.3 6.69,33.3 6.62,33.37 6.62,34.17 6.22,34.57 6.22,34.82 6.52,35.12 7.56,35.12 8,35.55 8,36.75
+5V on Top: 13.25,47.4 13.45,47.6 13.45,50.5 15.05,52.1 18.3,52.1 18.3,54.55 18.05,54.8 15.85,54.8 15.7,54.65 15.7,54.1 12.8,51.2 12.5,51.2 12.5,49.9 12,49.4 11.25,49.4 11.25,47.4
GND on Top, Bottom, In1.Cu, In2.Cu: 0,93 79,93 79,18 0,18
GND1 on Top, Bottom, In1.Cu, In2.Cu: 0,0 38,0 38,13.5 38,16 0,16
VBAT on Top: 16.1,27.03 16.35,26.78 16.35,20.53 16.15,20.33 14.55,20.33 14.35,20.53 14.35,26.78 14.6,27.03
VDD on Top: 7.1,35.8 7.1,38.99 6.82,39.27 5.2,39.27 4.12,40.34 4.12,41.82 5.65,43.34 6.22,43.34 6.22,44.09 5.35,44.09 3.35,42.09 2.97,42.09 2.97,40.12 5.27,37.82 5.27,35.78 5.3,35.8
VDD on Top: 3.3,26.78 3.9,26.78 3.9,25.73 3.24,25.07 1.97,25.07 1.4,25.64 1.4,28.7 1.5,28.8 2.3,28.8 2.3,27.08 2,26.78 2,25.83 2.26,25.57 3.04,25.57 3.3,25.83
VDD on Top: 3.7,31.8 3.7,32.3 3.95,32.55 5.6,32.55 5.7,32.65 5.7,33 6,33.3 6.4,33.3 6.45,33.35 6.45,34.19 6.22,34.37 6.12,34.5 6.05,34.6 6.05,35.25 7.05,36.25 5.65,36.25 3,33.6 3,31.8
VDD on Top: 33.6,60.46 36.55,60.46 36.55,52.51 37.25,51.81 39.15,51.81 39.3,51.66 39.3,50.66 39.15,50.51 36.75,50.51 36.55,50.31 35.2,50.31 34.65,50.86 34.65,52.41 34.2,52.86 33.55,52.86 33.5,52.91 33.5,60.36
VIO on Top: 58.97,51.39 58.72,51.14 58.72,51.04 59.07,50.69 59.06,49.88 58.82,49.56 59.07,49.24 61.67,49.24 61.67,51.14 61.42,51.39
VNB on Top: 9.82,50.54 9.82,52.85 10.22,53.25 10.22,54.18 9.85,54.55 9.6,54.55 9,53.95 7.57,53.95 7.05,54.48 7.05,56.05 8.1,57.1 13.3,57.1 13.4,57.2 13.4,59.65 13.25,59.8 8.5,59.8 6.5,57.8 4.12,57.8 4.12,55.58 4.05,55.5 4.05,54.7 5.42,54.7 7.8,52.33 7.8,50.57 7.82,50.54
VNB on Top: 75.55,53.8 76.35,53.8 76.35,55.2 76.45,55.3 76.45,55.7 76.05,56.1 76.05,57.18 75.45,57.18 75.45,56 75.05,55.6 75.05,55.4 75.55,54.9 75.55,54.5 75.55,54.5
VNB on Top: 48.72,58.69 47.92,58.69 46.68,60.69 46.67,60.69 46.67,63.7 46.02,64.35 44.67,64.35 44.67,67.05 47.12,67.05 47.37,66.8 47.37,60.79 48.07,60.09 48.72,60.09
VSEN1 on Top: 5.6,2.85 5.6,3.65 8.85,6.9 9.7,6.9 9.9,6.7 9.9,6.4 8.97,5.48 8.97,3.3 8.1,3.3 7.9,3.1 7.9,2.5 8.05,2.35 8.97,2.35 8.97,2 7.85,2 7,2.85
Net-(C21-Pad1) on Top: 15.75,27.72 16.3,28.27 16.3,32.17 14.22,34.25 10.3,34.25 10.3,34.25 8.3,34.24 8.15,34.07 8.15,33.37 8.22,33.3 8.62,33.3 8.9,33.02 8.9,32.12 9.05,31.97 10.3,31.97 10.8,31.47 11.6,31.47 11.65,31.52 11.65,32.77 11.95,33.07 13.55,33.07 14.4,32.22 14.4,28.27 14.95,27.72
Net-(C68-Pad1) on Top: 27.55,56.41 21.95,56.41 21.4,55.86 21.4,53.61 25.05,53.61 25.85,52.81 26.5,52.81 26.5,53.81 27.09,54.4 27.54,54.4 27.55,54.41
Net-(D1-PadA) on Top: 9,43.34 9.82,44.17 9.82,48.54 7.82,48.54 7.82,46.52 8.42,45.92 8.42,43.37 8.45,43.34
Net-(D2-PadA) on Top: 21.75,43.05 14.25,43.05 13.9,43.4 11.25,43.4 11.25,45.4 13.6,45.4 14.25,46.05 21.75,46.05
Net-(F1-Pad1) on Top: 55.93,20.9 56.43,21.4 56.43,24.95 57.33,25.85 57.33,27.55 57.28,27.6 53.88,27.6 53.83,27.55 53.83,25.85 54.73,24.95 54.73,21.4 55.23,20.9
Net-(MD1-CTANK) on Top: 49.67,73.24 49.67,70.54 51.47,70.54 51.47,74.29 51.73,74.55 54.12,74.55 56.62,72.05 57.3,72.05 57.9,71.45 58.5,71.45 58.67,71.28 58.67,70.68 59.1,70.25 59.7,70.25 59.87,70.42 59.87,70.55 60.17,70.85 60.17,72.18 59.1,73.25 58.5,73.25 57.9,73.85 55.47,73.85 54.03,75.29 50.82,75.29 50.82,74.29 49.77,73.24
Net-(MD1-VBATT) on Top: 49.42,60.09 49.42,58.69 50.22,58.69 51.47,59.94 51.47,62.29 51.78,62.6 54.77,62.6 57.02,64.85 59.1,64.85 59.1,65.45 57.42,65.45 57.3,65.57 57.3,67.25 56.7,67.25 56.7,65.68 54.31,63.29 50.82,63.29 50.82,60.69 50.22,60.09
Net-(U1-IN) on Top: 23.85,20.3 24.1,20.55 24.1,27.7 23.9,27.9 23.4,27.9 23.05,28.25 23.05,31.75 18.4,36.4 18.4,37.76 23.94,43.3 23.95,43.3 23.95,43.95 23.9,44 22.8,44 17.15,38.35 13.75,38.35 13.6,38.2 13.6,35.9 13.75,35.75 16.65,35.75 21.4,31 21.4,26.77 22,26.16 22,20.55 22.25,20.3
Net-(U1-SW) on Top: 23.9,44.9 23.9,44.3 22.4,44.3 21.9,44.8 21.9,47.15 21,48.05 14.25,48.05 14.25,51.05 21.75,51.05 21.75,48.55 22.45,47.85 23,47.85 23,46.85 22.6,46.45 22.6,45.1 22.8,44.9
Net-(U2-L1) on Top: 6.92,43.29 6.97,43.34 6.97,45.12 5.97,46.12 4.27,46.12 2.97,47.42 2.97,52.29 0.82,52.29 0.82,46.79 0.85,46.77 2.87,46.77 4.07,45.57 5.77,45.57 6.42,44.92 6.42,43.57 6.7,43.29
Net-(U2-L2) on Top: 8,43.29 8.22,43.52 8.22,45.87 6.82,47.27 6.82,52.29 4.67,52.29 4.67,46.79 6.47,46.79 7.65,45.62 7.65,43.34 7.7,43.29
Net-(U3-VIN) on Top: 54.84,38.14 53.86,38.14 53.33,37.61 53.33,35.5 53.83,35 53.83,30.05 53.88,30 57.28,30 57.33,30.05 57.33,31.85 55.38,31.85 55.28,31.95 55.28,35.3 55.18,35.4 54.88,35.4 54.13,36.15 54.13,37.35 54.28,37.5 54.93,37.5 54.98,37.55 54.98,38
Net-(U13-SW) on Top: 33.75,51.26 32.7,51.26 31.1,52.86 28.55,52.86 28.5,52.91 28.5,58.26 28.4,58.36 25.55,58.36 25.5,58.41 25.5,60.41 25.55,60.46 31.55,60.46 31.6,60.41 31.6,53.91 33.5,52.01 33.7,52.01 33.8,51.91 33.8,51.31

## Text on the board
F.Silkscreen: CHARGER | HUMI&TEMP | DUST SEN | PRESSURE | MAINBOARD | DHTP SENSOR BOARD | NB-IOT ANTENNA | GPS ANTENNA | NB-IOT MODULE | MCU | FLASH | SV: LÊ HƯNG THỊNH / MSSV: 20200346 | THIẾT KẾ TRẠM GIÁM SÁT THỜI TIẾT / SỬ DỤNG CÔNG NGHỆ NB-IOT
